# Altium PCB 606-100835-r03.pcbdoc (part 2 of 3)
Units mm, origin at the board's own origin, x right, y up, seen from the top; angles counter-clockwise.
Board outline 27 x 28.35 mm, 6 copper layers (Layer 1, Layer 2, Layer 3, Layer 4, Layer 5, Layer 6), stack 1.518 mm thick; 145 components, 197 nets, 755 pads, 438 vias.
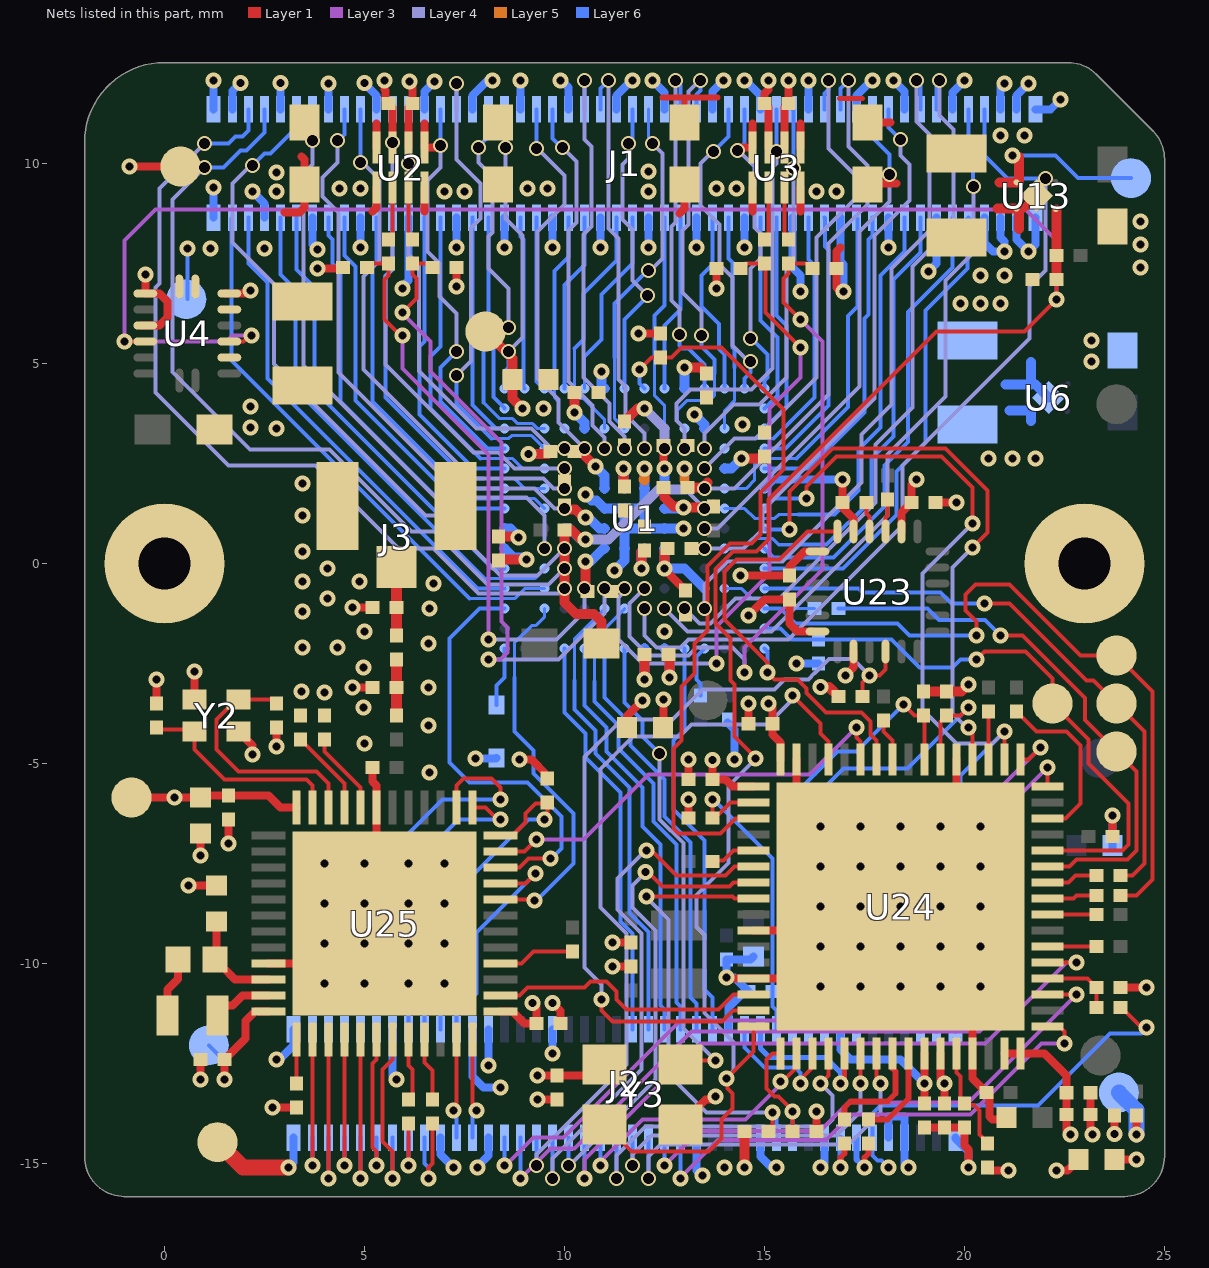
[diagram p6: the nets of this part, all layers, seen from the top]

## Via types
v1: diameter 0.4, hole 0.2, Layer 1 to Layer 6, tented both sides, 358 vias
v2: diameter 0.381, hole 0.279, Layer 4 to Layer 6, tented bottom, 80 vias

## Nets (pads, with @x,y where several pads share a name; then routed paths per layer and width w, separated by ;. In a path a pad name is that pad's centre, name@x,y a point inside that pad or via, vN(x,y) a via of type N, cw(c..) or ccw(c..) an arc to the next point about the centre after c; other vN are vias at no path point) (continued)
FPGA_GPIO_5: J2.42 U1.D14 | length 10.2
  Layer 6 w0.1: U1.D14@10,-2.125 10,-3.725 10.525,-4.25 10.525,-4.85 11.4,-5.725 11.4,-8.95 11.7,-9.25 J2.42@11.7,-11.645
FPGA_GPIO_6: J2.44 U1.F12 | length 11.6
  Layer 6 w0.083: 10.25,-2.925 10.25,-1.875 U1.F12@11,-1.125
  Layer 6 w0.1: 10.25,-2.925 10.25,-3.65 10.775,-4.175 10.775,-4.75 11.625,-5.6 11.625,-8.742 12.1,-9.217 J2.44@12.1,-11.645
FPGA_GPIO_7: J2.46 U1.E14 | length 10.3
  Layer 6 w0.1: U1.E14@10.5,-2.125 10.5,-3.55 11.05,-4.1 11.05,-4.7 11.95,-5.6 11.95,-6.575 12.4,-7.025 12.4,-11.05 12.5,-11.15 J2.46@12.5,-11.645
FPGA_GPIO_8: J2.48 U1.G12 | length 11.7
  Layer 6 w0.083: 10.75,-2.95 10.75,-1.875 U1.G12@11.5,-1.125
  Layer 6 w0.1: 10.75,-2.95 10.75,-3.45 11.35,-4.05 11.35,-4.625 12.225,-5.5 12.225,-6.45 12.8,-7.025 12.8,-10.975 12.9,-11.075 J2.48@12.9,-11.645
FPGA_GPIO_9: J2.50 U1.F14 | length 10.5
  Layer 6 w0.1: U1.F14@11,-2.125 11,-3.35 11.65,-4 11.65,-4.55 12.5,-5.4 12.5,-6.325 13.15,-6.975 13.15,-10.85 13.3,-11 J2.50@13.3,-11.645
FPGA_GPIO_10: J2.52 U1.K14 | length 10
  Layer 6 w0.1: U1.K14@13,-2.125 13,-4.15 12.725,-4.425 12.725,-6.15 13.5,-6.925 13.5,-10.65 13.7,-10.85 J2.52@13.7,-11.645
FPGA_JTAGEN: J2.10
FPGA_MCLK: U1.G14 Y3.3 | length 12.2
  Layer 1 w0.1: Y3.3@12.906,-12.525 13.006,-12.425 v1(13.775,-12.425)
  Layer 4 w0.1: v2(12.375,-4.75) 12.375,-6.395 12.97,-6.99 12.97,-11.62 v1(13.775,-12.425)
  Layer 6 w0.1: U1.G14@11.5,-2.125 11.5,-3.475 11.95,-3.925 11.95,-4.325 v2(12.375,-4.75)
FPGA_MCU_1: R14.1 U1.L14 | length 1.3
  Layer 6 w0.1: R14.1@13.4,-3.3 13.4,-3 13.3,-2.9 13.3,-2.325 U1.L14@13.5,-2.125
FPGA_MCU_2: U1.P8 U24.52 | length 14.7
  Layer 1 w0.1: v1(15.626,0.85) 15.626,1.801 16.7,2.875 19.525,2.875 20.575,1.825 20.575,0.775 v1(20.2,0.4) ; v1(20.1,-4.105) 20.2,-4.205 U24.52@20.2,-4.9
  Layer 4 w0.1: v1(20.1,-4.105) 20.055,-4.105 19.7,-3.75 19.7,-0.1 v1(20.2,0.4)
  Layer 6 w0.1: U1.P8@15,0.875 15.025,0.85 v1(15.626,0.85)
FPGA_MCU_3: J2.66 U1.P7 U24.50 | length 26.2
  Layer 1 w0.1: v1(16.05,1.625) 16.05,1.925 16.8,2.675 19.425,2.675 20.2,1.9 v1(20.2,1) ; U24.50@21,-4.9 v1(21,-4.2)
  Layer 4 w0.1: v1(20.2,1) 19.6,0.4 19.525,0.325 18.95,-0.25 18.95,-3.65 19.8,-4.5 20.7,-4.5 v1(21,-4.2)
  Layer 6 w0.1: U1.P7@15,1.375 15.25,1.625 v1(16.05,1.625) ; J2.66@16.5,-11.645 16.5,-11.1 16.9,-10.7 16.9,-7.4 17.2,-7.1 19.5,-7.1 19.9,-6.7 19.9,-5.3 v1(21,-4.2)
FPGA_MISO: R10.1 TP1.1 U24.43 | length 13.8
  Layer 1 w0.1: v1(20.9,-1.8) 21.45,-1.8 23.015,-3.365 23.015,-3.915 TP1.1@23.8,-4.7 24.3,-5.2 24.3,-7.175 24.075,-7.4 22.8,-7.4 22.625,-7.575 U24.43@22.075,-7.575
  Layer 6 w0.1: R10.1@16.85,-1.125 19.075,-1.125 19.362,-1.412 20.512,-1.412 v1(20.9,-1.8)
FPGA_MOSI: R115.2 TP2.1 U1.P11 | length 15
  Layer 1 w0.1: v1(20.5,-1) 21.125,-1 23.05,-2.925 23.225,-2.925 TP2.1@23.8,-3.5 24.5,-4.2 24.5,-7.5 24.2,-7.8 R115.2@23.9,-7.8
  Layer 6 w0.1: U1.P11@15,-0.625 17.35,-0.625 17.45,-0.725 19.4,-0.725 19.675,-1 v1(20.5,-1)
FPGA_NCS: R12.1 TP4.1 U1.P13 U24.44 | length 15.1
  Layer 1 w0.1: v1(20.3,-2.4) 20.5,-2.2 21.525,-2.2 22.2,-2.875 TP4.1@22.2,-3.5 ; U24.44@22.075,-7.175 23.95,-7.175 24.1,-7.025 24.1,-6 23.1,-5 23.1,-4.4 TP4.1@22.2,-3.5 ; TP4.1@22.2,-3.525 TP4.1@22.2,-3.5
  Layer 6 w0.1: U1.P13@15,-1.625 15.4,-1.625 15.675,-1.9 R12.1@16.35,-1.9 18.175,-1.9 18.875,-2.6 19.7,-2.6 19.9,-2.4 v1(20.3,-2.4)
FPGA_NRST: R1.1 U1.H1 U24.3 | length 19.1
  Layer 1 w0.1: v1(11.875,4.85) 12.175,5.15 R1.1@12.4,5.15 12.675,5.15 12.925,5.4 13.925,5.4 15.475,3.85 15.475,2.35 14.9,1.775 14.9,0.725 14.675,0.5 14.134,0.5 13.575,-0.059 13.575,-1.675 13.25,-2 13.25,-2.75 12.919,-3.081 12.919,-3.69 12.925,-3.696 12.925,-4.425 12.725,-4.625 12.725,-6.625 12.85,-6.75 13.9,-6.75 14.275,-6.375 U24.3@14.725,-6.375
  Layer 6 w0.1: v1(11.875,4.85) 11.875,4.5 U1.H1@12,4.375
FPGA_SCLK: R116.2 TP3.1 U1.P12 | length 18.3
  Layer 1 w0.1: v1(20.3,-1.8) 20.3,-1.45 20.025,-1.175 20.025,-0.775 20.275,-0.525 21.125,-0.525 22.9,-2.3 TP3.1@23.8,-2.3 24.7,-3.2 24.7,-7.9 24.3,-8.3 R116.2@23.9,-8.3
  Layer 6 w0.1: U1.P12@15,-1.125 15.4,-1.125 15.775,-1.5 18.325,-1.5 18.625,-1.8 v1(20.3,-1.8)
FPGA_SDO: R10.2 U1.M11 | length 2.5
  Layer 6 w0.083: U1.M11@14,-0.625 14.425,-0.625 14.675,-0.875 15.575,-0.875 15.825,-1.125 R10.2@16.25,-1.125
FPGA_TCK: J2.8
FPGA_TDI: J2.4
FPGA_TDO: J2.2
FPGA_TMS: J2.6
GND: C1.1 C2.2 C3.2 C4.2 C5.2 C6.2 C7.2 C8.2 C9.2 C10.2 C11.2 C12.1 C13.2 C14.2 C15.2 C16.2 C17.1 C18.2 C21.1 C37.2 C38.2 C39.2 C40.2 C41.2 C42.2 C45.2 C46.2 C47.2 C48.2 C49.2 C50.2 C51.2 C52.2 C57.2 C74.1 C75.1 C76.2 C77.2 C78.1 C79.1 C80.1 C81.2 C82.1 C83.2 C84.2 C85.1 C86.2 C87.1 C88.2 C89.2 C90.2 C91.2 C92.1 C93.2 C94.1 C95.2 C96.1 C97.2 C98.2 C99.2 C102.2 C103.2 C116.2 C117.2 J1.5 J1.11 J1.17 J1.23 J1.29 J1.35 J1.41 J1.47 J1.53 J1.59 J1.65 J1.71 J1.77 J1.83 J1.89 J1.95 J1.97 J1.98 J1.99 J1.100 J1.101 J1.102 J1.103 J1.104 J2.12 J2.17 J2.23 J2.24 J2.32 J2.49 J2.54 J2.57 J2.65 J2.70 J2.73 J2.75 J2.78 J2.80 J2.81 J2.82 J2.83 J2.84 J3.2 J3.3 M1.1 M2.1 R1.2 R2.2 R3.2 R4.2 R5.2 R12.2 R53.2 R119.2 TP13.1 TP14.1 U1.A9 U1.F1 U1.F7 U1.G7 U1.G8 U1.G9 U1.H6 U1.H7 U1.H8 U1.J8 U1.J14 U1.L3 U1.P6 U2.7 U3.7 U4.2 U4.6 U4.9 U4.11 U6.2 U6.5 U13.2 U13.5 U23.11 U23.18 U23.20 U24.10 U24.13 U24.29 U24.53 U24.63 U24.65 U25.31 U25.45 U25.49 Y2.2 Y2.4 Y3.2 | length 114.2
  Layer 1 w0.1: v1@-0.581,7.225 v1(-0.475,7.225) ; U4.9@-0.48,6.75 U4.9@-0.475,6.755 ; C12.1@12.465,-4.1 C12.1@12.475,-4.09 ; C50.2@19.5,8.35 C50.2@19.75,8.35
  Layer 1 w0.19: v1(5.5,12.075) 5.5,11.85 5.525,11.825 5.525,11.575 C116.2@5.6,11.5 5.7,11.4 U2.7@5.7,10.4 ; U3.7@15.1,10.4 15.1,11.4 C117.2@15,11.5 15,11.75 15.1,11.85 v1(15.1,12.075)
  Layer 1 w0.2: U4.11@-0.575,5.95 U4.11@-0.48,5.95 -0.125,5.95 0.075,6.15 0.075,6.55 -0.125,6.75 U4.9@-0.48,6.75 ; U4.9@-0.475,6.755 v1(-0.475,7.225) ; C103.2@-0.2,-3.5 v1(-0.2,-2.9) ; v1(0.6,-8.05) C90.2@1.3,-8.05 ; Y2.2@0.75,-3.4 v1(0.75,-2.7) ; v1(0.9,-12.9) C94.1@0.9,-12.4 ; v1(0.9,-7.3) C91.2@0.9,-6.75 ; U4.6@1.525,6.75 U4.6@1.62,6.75 2.075,6.75 v1(2.15,6.825) ; v1(1.6,-7) C96.1@1.6,-6.4 ; Y2.4@1.85,-4.2 2.2,-4.55 v1(2.2,-4.775) ; U25.45@2.6,-10 U25.49@3.5,-10 ; v1(2.7,-13.6) C93.2@3.3,-13.6 ; v1(2.8,-4.575) C102.2@2.8,-4.1 ; 3,8.775 3.375,8.775 3.5,8.9 C47.2@3.5,9.475 3.5,10.1 3.425,10.175 ; v1(3.825,7.375) 4.432,7.375 R2.2@4.457,7.4 ; v1(4.7,-3.1) C99.2@5.2,-3.1 ; v1(4.7,-1.1) C57.2@5.2,-1.1 ; C98.2@5.2,-5.1 5.2,-5.45 5.3,-5.55 U25.31@5.3,-6.1 U25.49@5.3,-7.25 ; v1@7.343,6.9 7.3,6.943 7.3,7.357 R3.2@7.343,7.4 ; v1(9.325,-13.4) C45.2@9.811,-13.4 ; v1(9.705,-10.988) 9.9,-11.183 C92.1@9.9,-11.5 ; v1(11.2,-10.075) 11.609,-10.075 11.634,-10.1 C89.2@11.659,-10.075 ; v1(11.2,-9.475) 11.609,-9.475 11.634,-9.5 C88.2@11.659,-9.475 ; v1(11.85,5.75) R1.2@12.4,5.75 ; C12.1@12.475,-4.09 v1(12.475,-3.4) ; 12.875,8.75 13,8.875 C51.2@13,9.475 ; Y3.2@12.906,-14.025 Y3.2@12.956,-13.975 ; Y3.2@12.956,-14.125 Y3.2@12.956,-13.975 ; Y3.2@12.956,-13.969 Y3.2@12.956,-13.975 ; C78.1@13.1,-5.4 v1(13.1,-4.9) ; v1@13.75,-13.3 v1(13.775,-13.325) 13.7,-13.4 13.531,-13.4 Y3.2@12.956,-13.975 ; v1(13.8,6.876) R4.2@13.8,7.375 ; v1(14.05,-10.35) 14.075,-10.375 U24.13@14.725,-10.375 U24.65@15.484,-10.375 ; C85.1@14.599,-4.005 v1(14.599,-3.5) ; v1(14.6,-1.3) 14.999,-0.901 C75.1@15.625,-0.901 15.625,-1.5 15.825,-1.7 U23.18@16.2,-1.7 ; U24.10@14.725,-9.175 U24.65@15.5,-9.175 ; U24.65@15.8,-5.7 U24.63@15.8,-4.9 ; 16.9,7.9 16.8,7.8 R5.2@16.8,7.375 16.8,6.9 16.9,6.8 v1(16.975,6.8) ; v1(16.95,2.1) C76.2@16.95,1.525 16.95,1.4 17.225,1.125 U23.11@17.225,0.8 ; v1(17.025,-2.8) 17.225,-2.6 U23.20@17.225,-2.2 ; C48.2@17.575,9.6 17.675,9.5 18.3,9.5 ; v1(18.4,-8.575) v1(19.4,-9.575) 20.2,-10.375 U24.29@20.2,-12.25 20.2,-12.875 C84.2@20.55,-13.225 20.625,-13.3 20.625,-13.825 20.7,-13.9 C81.2@21,-13.9 ; C87.1@19,-14.1 C79.1@19.5,-14.1 C83.2@20,-14.1 20,-14.55 20.1,-14.65 v1(20.1,-15.1) ; C74.1@19.275,1.525 v1(19.8,1.525) ; U24.65@19.8,-5.6 U24.53@19.8,-4.9 ; C81.2@21.05,-13.85 C81.2@21,-13.9 ; C81.2@21.075,-13.975 C81.2@21,-13.9 ; 21.475,8.875 U13.5@21.8,9.2 ; C82.1@23.15,-13.231 C80.1@23.15,-13.775 23.15,-14.225 v1(23.2,-14.275) ; C86.2@23.7,-6.825 v1(23.7,-6.3) ; C77.2@23.75,-14.899 v1(24.3,-14.899) ; R119.2@23.9,-10.6 v1@24.425,-10.6 ; v1(24.3,-14.275) C18.2@24.3,-13.8
  Layer 1 w0.25: C14.2@8.35,0.075 8.375,0.075 8.4,0.1 v1(9.05,0.1) ; v1(9.1,2.737) 9.587,2.737 C9.2@9.65,2.8 ; v1@10.85,4.775 10.875,4.8 v1(10.925,4.8) ; C4.2@12.6,-2.275 12.625,-2.3 v1(12.625,-2.85) ; C2.2@13.075,1.9 13.45,1.9 13.575,2.025 ; 20.825,8.875 21.365,8.875 21.365,8.365
  Layer 1 w0.4: TP14.1@1.324,-14.466 1.956,-15.099 v1(3.1,-15.099)
  Layer 5 w0.25: 12,2.075 11.975,2.1 12,2.125 v1(12,2.375) ; 13,2.075 v1(13,2.375)
  Layer 6 w0.1: U6.2@21.665,4.475 21.775,4.475
  Layer 6 w0.2: J1.101@1.225,8.645 v1(1.225,9.4) ; J1.102@1.225,11.355 v1(1.225,12.075) ; v1(2.2,9.3) 2.5,9 J1.5@2.5,8.645 ; v1(2.8,-12.4) 2.875,-12.4 3.225,-12.05 J2.82@3.225,-11.645 ; v1(3.1,-15.099) 3.225,-14.974 J2.81@3.225,-14.355 ; J1.11@3.7,8.645 3.7,7.975 v1(3.825,7.85) ; v1(4.9,7.9) J1.17@4.9,8.645 ; J2.12@5.7,-11.645 5.7,-12.8 v1(5.8,-12.9) ; v1(5.95,6.875) 5.95,6.95 5.963,6.937 6.1,7.075 J1.23@6.1,8.645 ; J2.17@6.9,-14.355 6.9,-14.775 v1(7.225,-15.1) ; v1(7.3,7.9) J1.29@7.3,8.645 ; v1(7.825,-15.1) 7.825,-15.075 8.1,-14.8 J2.23@8.1,-14.355 ; v1(8.1,-12.55) J2.24@8.1,-11.645 ; v1(8.5,7.9) J1.35@8.5,8.645 ; v1@8.5,7.95 J1.35@8.5,8.654 ; v1(9.7,-12.25) J2.32@9.7,-11.645 ; v1(9.7,7.9) J1.41@9.7,8.645 ; v1(10.9,7.9) J1.47@10.9,8.645 ; v1(12.1,7.9) J1.53@12.1,8.645 ; J2.49@13.3,-14.355 13.3,-15.175 13.425,-15.3 v1(13.45,-15.3) ; v1(13.3,7.9) J1.59@13.3,8.645 ; J2.54@14.1,-11.645 14.1,-11.1 14.5,-10.7 C52.2@14.6,-10.7 14.25,-10.35 v1(14.05,-10.35) C16.2@14.05,-9.9 14.65,-9.9 C21.1@14.725,-9.825 ; v1(14.5,7.9) J1.65@14.5,8.645 ; J2.57@14.9,-14.355 14.9,-14.825 15.174,-15.099 v1(15.3,-15.099) ; U1.P6@15,1.875 15.225,2.1 v1(16.95,2.1) ; J1.71@15.7,8.645 15.7,7.4 15.9,7.2 v1(15.9,6.8) ; v1(15.8,-2.5) R12.2@16.35,-2.5 ; v1(16.4,-15.099) 16.5,-14.999 J2.65@16.5,-14.355 ; J1.77@16.9,8.645 16.9,7.55 16.975,7.475 v1(16.975,6.8) ; J2.70@17.3,-11.645 17.3,-11 17.4,-10.9 v1(17.4,-10.575) ; J2.73@18.1,-14.355 18.1,-13.83 18.5,-13.83 J2.75@18.5,-14.355 18.5,-15 v1(18.6,-15.1) ; v1(18.1,7.9) J1.83@18.1,8.645 ; J2.78@18.9,-11.645 18.9,-11.2 19,-11.1 19.2,-11.1 ; v1(19.1,7.3) 19.3,7.5 J1.89@19.3,8.645 ; J2.80@19.3,-11.645 19.3,-11.2 19.2,-11.1 ; v1(19.4,-10.575) 19.4,-10.9 19.2,-11.1 ; J2.83@19.775,-14.355 19.775,-14.375 20.1,-14.7 v1(20.1,-15.1) ; J2.84@19.775,-11.645 19.775,-11.2 v1(20.4,-10.575) ; J1.95@20.5,8.645 20.5,8.012 20.712,7.8 v1(21,7.8) 21,8.05 20.9,8.15 J1.97@20.9,8.645 ; J1.98@20.9,11.355 20.9,11.9 v1(21,12) ; J1.99@21.3,8.645 21.3,8.1 v1(21.6,7.8) 21.775,7.975 J1.103@21.775,8.645 ; J1.100@21.3,11.355 21.3,11.7 v1(21.6,12) ; J1.104@21.775,11.355 22.155,11.355 v1(22.4,11.6) ; C17.1@23.7,-7.1 C17.1@23.7,-7.05 v1(23.7,-6.3)
  Layer 6 w0.25: U1.A9@8.5,0.375 8.725,0.15 9,0.15 v1(9.05,0.1) ; v1(10.525,1.725) 10.675,1.575 10.8,1.575 U1.F7@11,1.375 U1.G7@11.5,1.375 ; v1(10.925,4.8) 10.925,4.45 U1.F1@11,4.375 ; v1(11.25,-0.175) 11.5,0.075 U1.G9@11.5,0.375 U1.G8@11.5,0.875 ; U1.G7@11.508,1.384 U1.G7@11.5,1.375 ; v1(12,2.375) U1.H6@12,1.875 U1.H7@12,1.375 ; U1.J14@12.5,-2.125 12.625,-2.25 v1(12.625,-2.85) ; v1(12.975,0.875) U1.J8@12.5,0.875 U1.H8@12,0.875 ; v1(13.25,3.725) 13.5,3.475 U1.L3@13.5,3.375 ; 21.025,4.475 21.665,4.475 21.665,5.035 ; 21.775,4.475 U6.5@22.1,4.15 ; U1.G8@11.5,0.875 U1.G7@11.5,1.375 ; U1.G8@11.5,0.875 U1.H8@12,0.875 ; U1.G7@11.5,1.375 U1.H7@12,1.375 ; U1.H8@12,0.875 U1.H7@12,1.375
  Layer 6 w0.4: TP13.1@23.857,-13.225 24.3,-13.668 v1(24.3,-14.275)
  other v1: 24.55,-10.6 16.4,-10.575 18.4,-10.575 4,-10.5 5,-10.5 6.1,-10.5 7,-10.5 16.4,-9.575 17.4,-9.575 18.4,-9.575 20.4,-9.575 4,-9.5 5,-9.5 6.1,-9.5 7,-9.5 16.4,-8.575 17.4,-8.575 19.4,-8.575 20.4,-8.575 4,-8.5 5,-8.5 6.1,-8.5 7,-8.5 16.4,-7.575 17.4,-7.575 18.4,-7.575 19.4,-7.575 20.4,-7.575 4,-7.5 5,-7.5 6.1,-7.5 7,-7.5 16.4,-6.575 17.4,-6.575 18.4,-6.575 19.4,-6.575 20.4,-6.575 6.625,-5.225 5,-4.5 6.6,-4.05 4.975,-3.6 4,-3.225 3.425,-3.2 6.6,-3.1 4.975,-2.6 3.45,-2.1 4.325,-2.1 6.6,-2 5,-1.7 12.5,-1.7 3.45,-1.2 6.625,-1.125 4.075,-0.875 6.725,-0.5 3.45,-0.45 4.875,-0.45 4.075,-0.125 3.45,0.3 3.45,1.2 3.45,2 2.8,3.375 2.15,3.4 14.45,3.475 9.475,3.875 2.15,3.925 23.175,5.05 23.175,5.575 19.9,6.5 20.4,6.5 20.9,6.5 7.3,6.925 20.4,7.2 21,7.2 24.4,7.4 24.4,7.975 24.4,8.55 2.8,9.3 12.1,9.3 9.075,9.375 9.575,9.375 2.8,9.775 12.1,9.8
GND_PLL: C19.2 C20.2 U1.D8 U1.L7 | length 8.4
  Layer 1 w0.25: v1(10.525,0.6) 10.412,0.6 10.175,0.837 C20.2@10,0.837 10,-0.975 10.288,-1.262 10.737,-1.262 10.925,-1.45 C19.2@10.925,-2
  Layer 4 w0.1: 13.025,1.85 v2(13.5,1.375)
  Layer 4 w0.25: v1(10.525,0.6) 11.1,0.6 12.35,1.85 13.025,1.85
  Layer 6 w0.25: U1.D8@10,0.875 10.125,0.875 10.4,0.6 v1(10.525,0.6)
IMU_INT: U1.P14 U23.12 U24.58 | length 11
  Layer 1 w0.1: U23.12@16.825,0.8 16.071,0.8 15.371,0.1 14.3,0.1 14,-0.2 14,-1.4 14.763,-2.163 15.075,-2.475 v1(15.075,-2.725) 15.25,-2.9 15.825,-2.9 16.05,-3.125 16.05,-3.237 16.538,-3.725 17.42,-3.725 17.65,-3.955 17.65,-4.275 17.8,-4.425 U24.58@17.8,-4.9
  Layer 6 w0.1: U1.P14@15,-2.125 15.075,-2.2 v1(15.075,-2.725)
IMU_NCS: R11.2 U23.22 U24.15 | length 20.4
  Layer 1 w0.1: v1(10.925,-10.9) 10.925,-11.175 11.2,-11.45 13.943,-11.45 14.218,-11.175 U24.15@14.725,-11.175 ; R11.2@17.45,-3.325 17.45,-2.975 v1(17.625,-2.8) 17.875,-2.8 18.025,-2.65 U23.22@18.025,-2.2
  Layer 4 w0.1: v1(10.925,-10.9) 10.925,-10.525 10.5,-10.1 10.5,-4.84 11.44,-3.9 12.7,-3.9 13.45,-3.15 15.25,-3.15 15.5,-2.9 16.097,-2.9 16.255,-2.742 16.258,-2.742 16.612,-2.388 17.213,-2.388 v1(17.625,-2.8)
MCU_GPIO_1: J2.31 U24.6 | length 13.7
  Layer 1 w0.1: v1(12.05,-7.175) 12.175,-7.175 12.8,-7.8 14.025,-7.8 14.25,-7.575 U24.6@14.725,-7.575
  Layer 4 w0.1: v2(9.7,-15.375) 9.7,-14.875 11.92,-12.655 11.92,-9.245 11.325,-8.65 11.325,-7.87 12.02,-7.175 v1(12.05,-7.175)
  Layer 6 w0.1: v2(9.7,-15.375) J2.31@9.7,-14.355
MCU_GPIO_2: J2.33 U24.7 | length 12.2
  Layer 1 w0.1: v1(12.025,-7.712) 12.087,-7.712 12.45,-8.075 14.125,-8.075 14.225,-7.975 U24.7@14.725,-7.975
  Layer 4 w0.1: v2(10.1,-15.05) 10.125,-15.05 12.28,-12.895 12.28,-9.18 11.7,-8.6 11.7,-8.05 12.025,-7.725 v1(12.025,-7.712)
  Layer 6 w0.1: v2(10.1,-15.05) J2.33@10.1,-14.355
MCU_GPIO_3: J2.29 U24.61 | length 19.4
  Layer 1 w0.1: v1(15.7,-3.3) 16.4,-4 16.4,-4.25 16.6,-4.45 U24.61@16.6,-4.9
  Layer 4 w0.1: v2(9.3,-15.05) 9.3,-14.775 11.55,-12.525 11.55,-9.25 10.9,-8.6 10.9,-5.14 11.715,-4.325 12.875,-4.325 13.175,-4.025 15.07,-4.025 15.7,-3.395 v1(15.7,-3.3)
  Layer 6 w0.1: v2(9.3,-15.05) J2.29@9.3,-14.355
MCU_GPIO_4: J2.25 U24.49 | length 22
  Layer 1 w0.1: U24.49@21.4,-4.9 21.6,-4.9 v1(21.9,-4.6)
  Layer 3 w0.1: v1(8.5,-15.05) 8.525,-15.05 9.225,-14.35 9.975,-14.35 12.9,-11.425 20.175,-11.425 21,-10.6 21,-5.5 v1(21.9,-4.6)
  Layer 6 w0.1: v1(8.5,-15.05) J2.25@8.5,-14.355
MCU_GPIO_5: J2.27 U24.48 | length 21.8
  Layer 1 w0.1: U24.48@22.075,-5.575 v1(22.075,-5.1)
  Layer 3 w0.1: v1(8.9,-15.375) 9.65,-14.625 10.25,-14.625 13.175,-11.7 20.375,-11.7 21.4,-10.675 21.4,-5.775 v1(22.075,-5.1)
  Layer 6 w0.1: v1(8.9,-15.375) J2.27@8.9,-14.355
MCU_GPIO_6: J2.41 U24.22 | length 8.6
  Layer 1 w0.1: v1(17.4,-13) U24.22@17.4,-12.25
  Layer 4 w0.1: v2(11.7,-15.05) 11.7,-14.775 12.175,-14.3 16.8,-14.3 17.4,-13.7 v1(17.4,-13)
  Layer 6 w0.1: v2(11.7,-15.05) J2.41@11.7,-14.355
MCU_GPIO_7: J2.37 U24.18 | length 7.1
  Layer 1 w0.1: v1(15.4,-12.95) 15.45,-12.95 15.8,-12.6 U24.18@15.8,-12.25
  Layer 3 w0.1: v1(10.9,-15.05) 10.9,-14.95 11.95,-13.9 14.525,-13.9 15.4,-13.025 v1(15.4,-12.95)
  Layer 6 w0.1: v1(10.9,-15.05) J2.37@10.9,-14.355
MCU_GPIO_8: J2.47 U24.33 | length 12.8
  Layer 1 w0.1: U24.33@22.075,-11.575 22.375,-11.575 22.5,-11.7 v1(22.5,-12)
  Layer 3 w0.1: v1(12.9,-15.375) 12.9,-15.35 13.84,-14.41 16.54,-14.41 17.175,-13.775 20.15,-13.775 21.925,-12 v1(22.5,-12)
  Layer 6 w0.1: v1(12.9,-15.375) J2.47@12.9,-14.355
MCU_GPIO_9: J2.45 U24.35 | length 13.5
  Layer 1 w0.1: U24.35@22.075,-10.775 v1(22.8,-10.775)
  Layer 3 w0.1: v1(12.5,-15.05) 13.36,-14.19 16.385,-14.19 17.1,-13.475 20.1,-13.475 v1(22.8,-10.775)
  Layer 6 w0.1: v1(12.5,-15.05) J2.45@12.5,-14.355
MCU_GPIO_10: J2.43 U24.23 | length 9.3
  Layer 1 w0.1: U24.23@17.8,-12.25 17.8,-12.9 v1(17.9,-13)
  Layer 4 w0.1: v2(12.1,-15.375) 12.1,-14.825 12.4,-14.525 17.1,-14.525 17.9,-13.725 v1(17.9,-13)
  Layer 6 w0.1: v2(12.1,-15.375) J2.43@12.1,-14.355
MCU_GPIO_11: J2.58 U24.21 | length 3.8
  Layer 1 w0.125: v1(16.9,-13) 17,-12.9 U24.21@17,-12.25
  Layer 6 w0.125: J2.58@14.9,-11.645 14.9,-12.125 15.125,-12.35 16.525,-12.35 16.9,-12.725 v1(16.9,-13)
MCU_GPIO_12: J2.39 U24.20 | length 9.2
  Layer 1 w0.1: v1(16.4,-13) 16.6,-12.8 U24.20@16.6,-12.25
  Layer 4 w0.1: v2(11.3,-15.375) 11.3,-14.8 12.025,-14.075 16.525,-14.075 16.7,-13.9 16.7,-13.3 v1(16.4,-13)
  Layer 6 w0.1: v2(11.3,-15.375) J2.39@11.3,-14.355
MCU_GPIO_13: J2.56 U24.19 | length 3.3
  Layer 1 w0.1: v1(15.9,-13) 15.9,-12.9 16.2,-12.6 U24.19@16.2,-12.25
  Layer 6 w0.1: J2.56@14.5,-11.645 14.5,-12.1 15,-12.6 15.769,-12.6 15.9,-12.731 v1(15.9,-13)
MCU_GPIO_14: J2.35 U24.37 | length 16.6
  Layer 1 w0.1: U24.37@22.075,-9.975 v1(22.8,-9.975)
  Layer 3 w0.1: v1(10.5,-15.375) 10.5,-14.9 13.4,-12 20.525,-12 22.55,-9.975 v1(22.8,-9.975)
  Layer 6 w0.1: v1(10.5,-15.375) J2.35@10.5,-14.355
MCU_NRST: C52.1 J2.60 R9.2 U24.2 | length 8.1
  Layer 1 w0.1: v1(13.7,-5.9) R9.2@13.7,-6.365 13.76,-6.365 14.15,-5.975 U24.2@14.725,-5.975
  Layer 6 w0.1: v1(13.7,-5.9) 13.725,-5.9 15.2,-7.375 C52.1@15.2,-10.7 15.2,-11.072 15.3,-11.172 J2.60@15.3,-11.645
MCU_SWCLK: J2.62 R122.2 U24.55 | length 11.4
  Layer 1 w0.1: v1(18.475,-3.525) 18.75,-3.8 R122.2@18.975,-3.8 19,-3.825 U24.55@19,-4.9
  Layer 6 w0.1: J2.62@15.7,-11.645 15.7,-10.9 15.6,-10.8 15.6,-5.925 16.825,-4.7 17.3,-4.7 v1(18.475,-3.525)
MCU_SWDIO: J2.64 R112.2 U24.54 | length 12.6
  Layer 1 w0.1: U24.54@19.4,-4.9 19.4,-3.95 R112.2@19.55,-3.8 19.9,-3.8 v1(20.1,-3.6)
  Layer 6 w0.1: J2.64@16.1,-11.645 16.1,-10.9 15.9,-10.7 15.9,-6.2 16.975,-5.125 18.575,-5.125 v1(20.1,-3.6)
NetC57_1: C57.1 J3.1 L127.2 | length 1.6
  Layer 1 w0.279: L127.2@5.8,-1.8 J3.1@5.8,-0.175
NetC76_1: C76.1 U23.10 | length 0.8
  Layer 1 w0.1: C76.1@17.55,1.525 17.55,1.25 17.625,1.175 U23.10@17.625,0.8
NetC83_1: C83.1 R8.2 U24.28 | length 2.7
  Layer 1 w0.1: U24.28@19.8,-12.25 19.8,-12.725 19.9,-12.825 19.9,-13.431 20,-13.531 20.231,-13.531 20.375,-13.675 20.375,-14.275 R8.2@20.6,-14.5
NetC90_1: C90.1 L3.2 U25.46 | length 2.2
  Layer 1 w0.2: L3.2@1.3,-9.85 C90.1@1.3,-8.95 ; L3.2@1.442,-10.077 1.765,-10.4 U25.46@2.6,-10.4
NetC93_1: C93.1 U25.1 | length 1.1
  Layer 1 w0.1: C93.1@3.3,-13 U25.1@3.3,-11.9
NetC95_1: C95.1 U25.32 | length 2.1
  Layer 1 w0.1: C95.1@4,-4.4 4,-4.7 4.9,-5.6 U25.32@4.9,-6.1
NetC97_1: C97.1 U25.33 | length 2.2
  Layer 1 w0.1: C97.1@3.4,-4.4 4.5,-5.5 U25.33@4.5,-6.1
NetC99_1: C99.1 L5.2 L127.1 | length 1.4
  Layer 1 w0.279: L5.2@5.8,-3.8 L127.1@5.8,-2.4
NetC102_1: C102.1 U25.34 Y2.1 | length 6.3
  Layer 1 w0.1: C102.1@2.8,-3.5 2.7,-3.4 Y2.1@1.85,-3.4 1.8,-3.4 1.3,-3.9 1.3,-4.65 1.85,-5.2 3.8,-5.2 4.1,-5.5 U25.34@4.1,-6.1
NetC103_1: C103.1 U25.35 Y2.3 | length 5.3
  Layer 1 w0.1: C103.1@-0.2,-4.1 -0.15,-4.15 0.7,-4.15 Y2.3@0.75,-4.2 0.75,-4.65 1.5,-5.4 3.55,-5.4 3.7,-5.55 U25.35@3.7,-6.1
NetD1_C: D1.C U1.A14 | length 1.5
  Layer 6 w0.1: D1.C@8.3,-3.54 8.3,-3.05 8.5,-2.85 U1.A14@8.5,-2.125
NetL3_1: L3.1 L4.2 | length 1.5
  Layer 1 w0.2: L4.2@0.075,-11.3 0.075,-10.65 0.335,-10.39 L3.1@0.335,-9.9
NetL4_1: L4.1 U25.47 | length 1.5
  Layer 1 w0.2: L4.1@1.325,-11.3 1.575,-11.05 1.7,-11.05 1.95,-10.8 U25.47@2.6,-10.8
NetR41_2: R41.2 U2.3 | length 1.3
  Layer 1 w0.1: U2.3@6.1,9.4 6.1,8.2 R41.2@6.2,8.1
NetR42_2: R42.2 U2.2 | length 1.3
  Layer 1 w0.1: R42.2@5.6,8.1 5.7,8.2 U2.2@5.7,9.4
NetR43_2: R43.2 U3.3 | length 1.3
  Layer 1 w0.1: U3.3@15.5,9.4 15.5,8.2 R43.2@15.6,8.1
NetR44_2: R44.2 U3.2 | length 1.3
  Layer 1 w0.1: R44.2@15,8.1 15.1,8.2 U3.2@15.1,9.4
NetR111_1: R111.1 U24.5 | length 1.1
  Layer 1 w0.1: R111.1@13.7,-7.45 13.725,-7.425 13.975,-7.425 14.225,-7.175 U24.5@14.725,-7.175
NetR113_2: R113.2 U24.38 | length 1.2
  Layer 1 w0.1: U24.38@22.075,-9.575 R113.2@23.3,-9.575
NetR114_2: R114.2 U24.40 | length 1.2
  Layer 1 w0.1: U24.40@22.075,-8.775 R114.2@23.3,-8.775
NetR115_1: R115.1 U24.42 | length 1.3
  Layer 1 w0.1: U24.42@22.075,-7.975 22.6,-7.975 22.775,-7.8 R115.1@23.3,-7.8
NetR116_1: R116.1 U24.41 | length 1.3
  Layer 1 w0.1: U24.41@22.075,-8.375 22.725,-8.375 22.8,-8.3 R116.1@23.3,-8.3
NetR117_2: R117.2 U24.57 | length 1.1
  Layer 1 w0.1: R117.2@17.975,-3.925 17.975,-4.2 18.2,-4.425 U24.57@18.2,-4.9
NetR120_2: R120.2 U24.46 | length 4.4
  Layer 1 w0.1: R120.2@21.3,-3.7 21.805,-4.205 22.555,-4.205 22.9,-4.55 22.9,-6 22.525,-6.375 U24.46@22.075,-6.375
NetR125_1: R125.1 U24.51 | length 1.2
  Layer 1 w0.1: U24.51@20.6,-4.9 R125.1@20.6,-3.7
NetR128_2: R128.2 U25.16 | length 1.9
  Layer 1 w0.1: U25.16@8.4,-10 8.925,-10 9.225,-9.7 R128.2@10.2,-9.7
NetR129_2: R129.2 U25.8 | length 1.6
  Layer 1 w0.1: R129.2@6.1,-13.4 6.2,-13.3 6.2,-12.65 6.1,-12.55 U25.8@6.1,-11.9
NetR130_2: R130.2 U25.9 | length 1.6
  Layer 1 w0.1: U25.9@6.5,-11.9 6.5,-12.475 6.7,-12.675 R130.2@6.7,-13.4
NetR164_2: R164.2 U23.9 | length 0.8
  Layer 1 w0.1: U23.9@18.025,0.8 18.025,1.15 18.075,1.2 R164.2@18.075,1.6
NFC_N: J2.21 U25.12 | length 2.5
  Layer 1 w0.1: U25.12@7.7,-11.9 7.7,-13.573 v1(7.8,-13.673)
  Layer 6 w0.1: J2.21@7.7,-14.355 7.7,-13.773 v1(7.8,-13.673)
NFC_P: J2.19 U25.11 | length 2.5
  Layer 1 w0.1: v1(7.225,-13.673) 7.3,-13.598 U25.11@7.3,-11.9
  Layer 6 w0.1: v1(7.225,-13.673) 7.3,-13.748 J2.19@7.3,-14.355
NRF_DR: U24.59 U25.23 | length 11
  Layer 1 w0.1: U25.23@8.4,-7.2 9,-7.2 v1(9.3,-6.9) ; v1(17.3,-4.1) 17.3,-4.35 17.4,-4.45 U24.59@17.4,-4.9
  Layer 3 w0.1: v1(9.3,-6.9) 10.475,-6.9 12.1,-5.275 16.125,-5.275 v1(17.3,-4.1)
NRF_FPGA_GPIO_1: U1.A12 U25.22 | length 10.7
  Layer 1 w0.1: U25.22@8.4,-7.6 8.875,-7.6 9.1,-7.375 v1(9.65,-7.375)
  Layer 6 w0.1: U1.A12@8.5,-1.125 7.875,-1.125 7.125,-1.875 7.125,-4.975 7.625,-5.475 9.075,-5.475 9.925,-6.325 9.925,-7.125 9.675,-7.375 v1(9.65,-7.375)
NRF_FPGA_GPIO_2: U1.C12 U25.20 | length 9.6
  Layer 1 w0.1: U25.20@8.4,-8.4 9.225,-8.4 v1(9.25,-8.425)
  Layer 6 w0.083: 8.75,-2.85 8.75,-1.975 9.175,-1.55 9.275,-1.55 9.5,-1.325 U1.C12@9.5,-1.125